# Altium PCB node-test-array__B4.PcbDoc (part 2 of 3)
Units mm, origin at the board's own origin, x right, y up, seen from the top; angles counter-clockwise.
Board outline 390 x 132 mm, 2 copper layers (Top Layer, Bottom Layer), stack 1.567 mm thick; 356 components, 207 nets, 1082 pads, 266 vias.
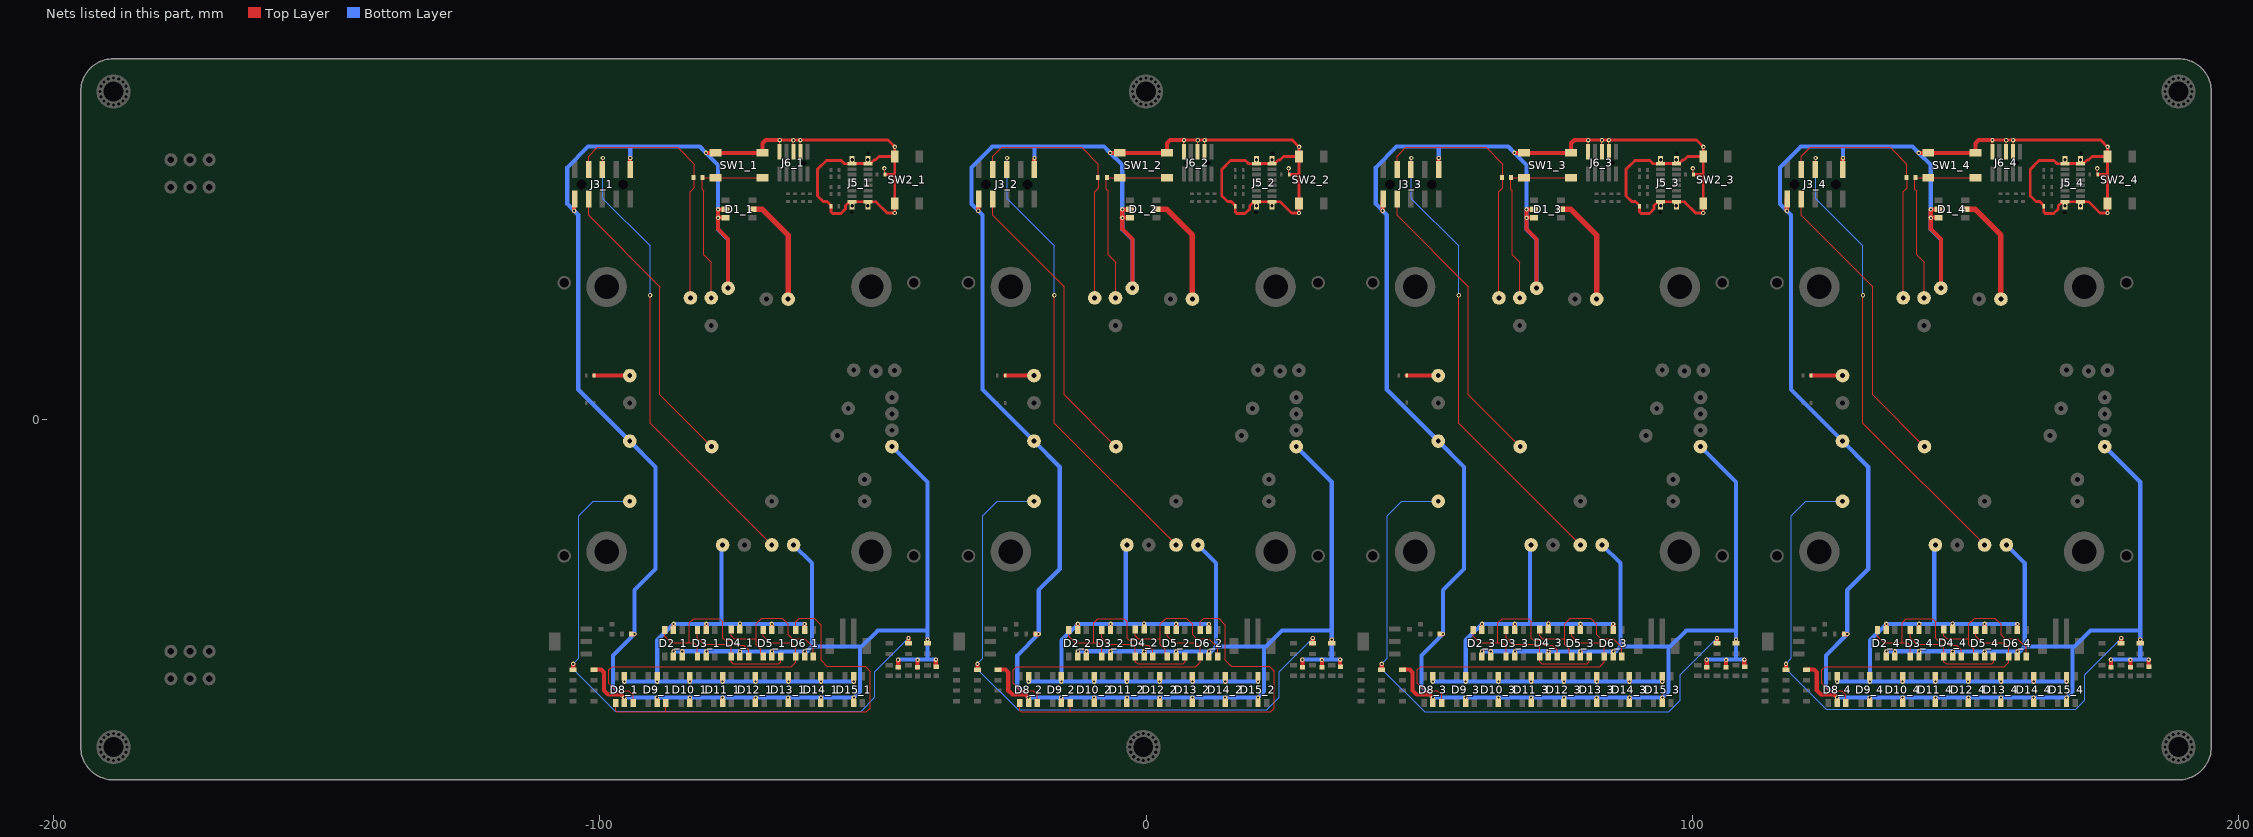
[diagram p2: the nets of this part, all layers, seen from the top]

## Part data
BM1 BM2 BM3 BM4 BM5 BM6: "M3 screw hole ISO standard 3.6mm clearance 16 conductivity holes 6.3mm pad size", Manufacturer=Wavenumber, cad-reference=M3, Category="Screw Mount", Flags=NO_BOM, kicad-footprint=M3:M3, kicad-symbol=screw-hole:screw-hole, Manufacturer Part Number=M3
C1_1 C1_2 C1_3 C1_4 C2_1 C2_2 C2_3 C2_4 C3_1 C3_2 C3_3 C3_4: library part GCM1885C2A180JA16D, "CAP CER 18PF 100V C0G/NP0 0603", Manufacturer="Murata Electronics", Operating Temperature="-55°C ~ 125°C", Package=603, Ratings=AEC-Q200, Temperature Coefficient="C0G, NP0", Tolerance=±5%, Voltage - Rated=100V, cad-reference=GCM1885C2A180JA16D, Category=Capacitors, kicad-footprint=C0603_0.90MM_MD:C0603_0.90MM_MD, kicad-symbol=Capacitor:C_2P_NP, Manufacturer Part Number=GCM1885C2A180JA16D, Substitution Notes="18pF , 100V , ±5% , C0G, NP0 , -55°C ~ 125°C , AEC-Q200 , 0603", Thickness (Max)=0.90MM
D1_1 D1_2 D1_3 D1_4 D2_1 D2_2 D2_3 D2_4 D3_1 D3_2 D3_3 D3_4 D4_1 D4_2 D4_3 D4_4 D5_1 D5_2 D5_3 D5_4 D6_1 D6_2 D6_3 D6_4 D8_1 D8_2 D8_3 D8_4 D9_1 D9_2 D9_3 D9_4 D10_1 D10_2 D10_3 D10_4 D11_1 D11_2 D11_3 D11_4 D12_1 D12_2 D12_3 D12_4 D13_1 D13_2 D13_3 D13_4 D14_1 D14_2 D14_3 D14_4 D15_1 D15_2 D15_3 D15_4: "SMD5050 RGB LEDs(Built-in IC) ROHS", JLCPCB Part #=C5446704, Manufacturer=Worldsemi, Manufacturer Part Number=WS2813A-V2
D7_1 D7_2 D7_3 D7_4: "DIODE ZENER 16V 300MW SOT23", Current - Reverse Leakage @ Vr="100nA @ 11.2V", JLCPCB Part #=C968217, Manufacturer="Diodes Inc", Operating Temperature="-65°C ~ 150°C", Package="TO-236-3- SC-59- SOT-23-3", Power - Max=300mW, Supplier Device Package=SOT-23-3, Supplier Part Number 1=BZX84B16-FDICT-ND, Tolerance=±2%, Voltage - Forward (Vf) (Max) @ If="900mV @ 10mA", Voltage - Zener (Nom) (Vz)=16V, cad-reference=BZX84B16-7-F, Category=Diodes, CategorySort=400, ComponentLink1Description="Internal Datasheet", ComponentLink1URL=http://www.diodes.com/datasheets/BZX84Bxx(x).pdf, ComponentLink2Description="External Datasheet", ComponentLink2URL=http://www.diodes.com/datasheets/BZX84Bxx(x).pdf, Diode Suffix=1A_3C, Impedance (Max) (Zzt)="40 Ohm", kicad-footprint=D_SOT-23-3:D_SOT-23-3_P, kicad-symbol=Diode:DZ_1A_3C, Manufacturer Part Number=BZX84B16-7-F, Mounting Type="Surface Mount", Num Pins=3, Packaging="Cut Tape (CT)", SortValue=BZX84B16-7-F, Supplier 1=Digi-Key
J1 J4: library part 2601-1103, "3 Position Wire to Board Terminal Block Horizontal with Board 0.137\" (3.50mm) Through Hole", Manufacturer=Wago, cad-reference=2601-1103, Category=connectors, Internal Part Number=2601-1103, kicad-footprint=2601-1103:2601-1103, kicad-symbol=2601-1103:2601-1103, Manufacturer Part Number=2601-1103
J2_1 J2_2 J2_3 J2_4: "JST 2MM Vertical 2 Pin", Color=Natural, Current Rating=2A, Flammability Rating="UL94 V-0", JLCPCB Part #=C265003, Manufacturer=JST, Max Operating Temperature=85°C, Min Operating Temperature=-25°C, Package Quantity=1, Supplier Part Number 1=455-2872-6-ND, cad-reference=B2B-PH-SM4-TBT(LF)(SN), Category=connectors, ComponentLink1Description=https://datasheet.ciiva.com/26894/getdatasheetpartid-473167-26894757.pdf?src-supplier=Verical, ComponentLink1URL=https://datasheet.ciiva.com/26894/getdatasheetpartid-473167-26894757.pdf?src-supplier=Verical, ComponentLink2Description=https://datasheet.ciiva.com/14800/eph-14800607.pdf?src-supplier=Digi-Key, ComponentLink2URL=https://datasheet.ciiva.com/14800/eph-14800607.pdf?src-supplier=Digi-Key, ComponentLink3Description=https://datasheet.ciiva.com/732/eph-732907.pdf?src-supplier=Digi-Key, ComponentLink3URL=https://datasheet.ciiva.com/732/eph-732907.pdf?src-supplier=Digi-Key, Connector Type=Header, Contact Finish - Mating=TIN, Contact Material="Copper Alloy", Contact Mating Length=0.13inch, Contact Plating=Tin, Contact Shape=Square, Contact Type="Male Pin", Fastening Type=Detent, Insulation Color=Natural, Insulation Material=Nylon, Internal Part Number=B2B-PH-SM4-TBT(LF)(SN), kicad-footprint=B2B-PH-SM4-TBT(LF)(SN):B2B-PH-SM4-TBT(LF)(SN), kicad-symbol=B2B-PH-SM4-TBT(LF)(SN):B2B-PH-SM4-TBT(LF)(SN), Lead Free="Lead Free", Manufacturer Part Number=B2B-PH-SM4-TBT(LF)(SN), Mount="Surface Mount", Number of Positions=2, Number of Rows=1, Packaging="Cut Tape", Pitch=0.079inch, Pricing="1=0.76000, 10=0.66600, 100=0.54870, 500=0.47710 (USD)", RoHS=Yes, Series=PH, Supplier 1=Digi-Key, Termination=Solder
J3_1 J3_2 J3_3 J3_4: "250V 3A Standing paste Policy 2.5mm 260℃@5S 6mm 10P -40℃~+105℃ 2.54mm Double Row Black 2.54mm 2x5P SMD,P=2.54mm  Pin Headers ROHS", JLCPCB Part #=C3294463, Manufacturer=HCTL, cad-reference=PZ254-2-05-S, kicad-footprint=PZ254-2-05-S:PZ254-2-05-S, kicad-symbol=CON-2-5:CON-2-5, Manufacturer Part Number=PZ254-2-05-S
J5_1 J5_2 J5_3 J5_4: "USB-C Vertical - USB2.0 Pinout", JLCPCB Part #=C3001290, Manufacturer=G-Switch, cad-reference=GT-USB-7082B, kicad-footprint=GT-USB-7082B:GT-USB-7082B, kicad-symbol=GT-USB-7082B:GT-USB-7082B, Manufacturer Part Number=GT-USB-7082B
J6_1 J6_2 J6_3 J6_4: "Connector Header Surface Mount 10 position 0.050\" (1.27mm)", JLCPCB Part #=C598540, Manufacturer="Amphenol ICC", cad-reference=20021121-00010T4LF, kicad-footprint=FTSH-105-05-F-DV:FTSH-105-05-F-DV, kicad-symbol=CORTEX-DEBUG:CORTEX-DEBUG, Manufacturer Part Number=20021121-00010T4LF
M5_1 M5_2 M5_3 M5_4 M6_1 M6_2 M6_3 M6_4 M7_1 M7_2 M7_3 M7_4 M8_1 M8_2 M8_3 M8_4: "ROUND STANDOFF M3X0.5 STEEL 8MM", JLCPCB Part #=C5301772, Manufacturer="Würth Elektronik", Manufacturer 1=YIYUAN, Manufacturer Part Number 1=SMTSOM380BTR, cad-reference=9774080360R, kicad-footprint=9774080360R:9774080360R, kicad-symbol=standoff-smt:standoff-smt, Manufacturer Part Number=9774080360R
P1_1 P1_2 P1_3 P1_4 P2_1 P2_2 P2_3 P2_4 P3_1 P3_2 P3_3 P3_4 P4_1 P4_2 P4_3 P4_4: "PC Pin Terminal Connector Through Hole Gold 0.070\" (1.78mm) Dia", JLCPCB Part #=C17507717, Manufacturer=Harwin, cad-reference=H2184-05, Manufacturer Part Number=H2184-05
Q1_1 Q1_2 Q1_3 Q1_4: "MOSFET P-CH 40V 6.4A SOT223", JLCPCB Part #=C141324, Manufacturer="Diodes Incorporated", cad-reference=ZXMP4A16GTA, kicad-footprint=SOT223:SOT223, kicad-symbol=MOSFET-P-CH-1G2D4D3S:MOSFET-P-CH-1G2D4D3S, Manufacturer Part Number=ZXMP4A16GTA
R1_1 R1_2 R1_3 R1_4: library part ERJ-3EKF1003V, "RES 100K OHM 1/10W 1% 0603 SMD", JLCPCB Part #=C189597, Limiting Element Voltage=75, Manufacturer="Panasonic Electronic Components", Maximum Overload Voltage=150, Maximum Working Voltage=75.0V, Package="0603 (1608 Metric)", Package Power="0603  (0.1W)", Power (Watts)="0.1W- 1/10W", Ratings=AEC-Q200, Resistance (Ohms)=100k, Sort Value=100000.0, Sort Value Package=603_100000, Supplier Package=603, Temperature Coefficient=±100ppm/°C, Tolerance=±1%, cad-reference=ERJ-3EKF1003V, Category=Resistors, Composition="Thick Film", Features=-, Height=0.55MM, kicad-footprint=R0603_0.55MM_HD:R0603_0.55MM_HD, kicad-symbol=Resistor:R_2P, Manufacturer 1="Panasonic Electronic Components", Manufacturer Part Number=ERJ-3EKF1003V, Manufacturer Part Number 1=ERJ-3EKF1003V, Number of Terminations=2, Packaging="Cut Tape (CT)", Substitution Notes="100k , ±1% , 0603 , AEC-Q200"
R2_1 R2_2 R2_3 R2_4 R3_1 R3_2 R3_3 R3_4 R17_1 R17_2 R17_3 R17_4 R18_1 R18_2 R18_3 R18_4 R21_1 R21_2 R21_3 R21_4 R22_1 R22_2 R22_3 R22_4 R23_1 R23_2 R23_3 R23_4 R24_1 R24_2 R24_3 R24_4 R25_1 R25_2 R25_3 R25_4 R26_1 R26_2 R26_3 R26_4: library part ERJ-3GEY0R00V, "RES 0.0 OHM 1/10W JUMP 0603 SMD", JLCPCB Part #=C122704, Limiting Element Voltage=75, Manufacturer="Panasonic Electronic Components", Maximum Overload Voltage=150, Maximum Working Voltage=0.0V, Package="0603 (1608 Metric)", Package Power="0603  (0.1W)", Power (Watts)="0.1W- 1/10W", Ratings=AEC-Q200, Resistance (Ohms)=0, Sort Value Package=603_0, Supplier Package=603, Supplier Part Number 1=P0.0GCT-ND, Temperature Coefficient=-, Tolerance=Jumper, cad-reference=ERJ-3GEY0R00V, Category=Resistors, Composition="Thick Film", Features=-, Height=0.55MM, kicad-footprint=R0603_0.55MM_HD:R0603_0.55MM_HD, kicad-symbol=Resistor:R_2P, Manufacturer 1="Panasonic Electronic Components", Manufacturer Part Number=ERJ-3GEY0R00V, Manufacturer Part Number 1=ERJ-3GEY0R00V, Number of Terminations=2, Sort Value=0, Substitution Notes="0 , Jumper , 0603 , AEC-Q200", Supplier 1=Digi-Key
R4_1 R4_2 R4_3 R4_4: library part ERJ-3EKF1002V, "RES 10K OHM 1/10W 1% 0603 SMD", JLCPCB Part #=C191124, Limiting Element Voltage=75, Manufacturer="Panasonic Electronic Components", Maximum Overload Voltage=150, Maximum Working Voltage=31.6V, Package="0603 (1608 Metric)", Package Power="0603  (0.1W)", Power (Watts)="0.1W- 1/10W", Ratings=AEC-Q200, Resistance (Ohms)=10k, Sort Value=10000, Sort Value Package=603_10000, Supplier Package=0603, Temperature Coefficient=±100ppm/°C, Tolerance=±1%, Category=Resistors, Composition="Thick Film", Features=-, Height=0.55MM, id=5025, is_external=1, Manufacturer 1="Panasonic Electronic Components", Manufacturer Part Number=ERJ-3EKF1002V, Manufacturer Part Number 1=ERJ-3EKF1002V, Number of Terminations=2, Packaging="Cut Tape (CT)", Size / Dimension="0.063\" L x 0.031\" W (1.60mm x 0.80mm)", Substitution Notes="10k , ±1% , 0603 , AEC-Q200"
R5_1 R5_2 R5_3 R5_4 R6_1 R6_2 R6_3 R6_4 R7_1 R7_2 R7_3 R7_4 R8_1 R8_2 R8_3 R8_4 R9_1 R9_2 R9_3 R9_4 R10_1 R10_2 R10_3 R10_4 R11_1 R11_2 R11_3 R11_4 R12_1 R12_2 R12_3 R12_4 R13_1 R13_2 R13_3 R13_4 R14_1 R14_2 R14_3 R14_4 R15_1 R15_2 R15_3 R15_4 R16_1 R16_2 R16_3 R16_4: library part ERJ-6GEY0R00V, "RES 0.0 OHM 1/8W JUMP 0805 SMD", JLCPCB Part #=C96345, Limiting Element Voltage=150, Manufacturer="Panasonic Electronic Components", Maximum Overload Voltage=200, Maximum Working Voltage=0.0V, Package="0805 (2012 Metric)", Package Power="0805  (0.125W)", Power (Watts)="0.125W- 1/8W", Ratings=AEC-Q200, Resistance (Ohms)=0, Sort Value Package=805_0, Supplier Package=805, Supplier Part Number 1=P0.0ACT-ND, Temperature Coefficient=-, Tolerance=Jumper, cad-reference=ERJ-6GEY0R00V, Category=Resistors, Composition="Thick Film", Features=-, Height=0.70MM, kicad-footprint=R0805_0.70MM_HD:R0805_0.70MM_HD, kicad-symbol=Resistor:R_2P, Manufacturer 1="Panasonic Electronic Components", Manufacturer Part Number=ERJ-6GEY0R00V, Manufacturer Part Number 1=ERJ-6GEY0R00V, Number of Terminations=2, Sort Value=0, Substitution Notes="0 , Jumper , 0805 , AEC-Q200", Supplier 1=Digi-Key
R19_1 R19_2 R19_3 R19_4 R20_1 R20_2 R20_3 R20_4: library part ERJ-3EKF5101V, "RES 5.1K OHM 1/10W 1% 0603 SMD", JLCPCB Part #=C169254, Limiting Element Voltage=75, Manufacturer="Panasonic Electronic Components", Maximum Overload Voltage=150, Maximum Working Voltage=22.6V, Package="0603 (1608 Metric)", Package Power="0603  (0.1W)", Power (Watts)="0.1W- 1/10W", Ratings=AEC-Q200, Resistance (Ohms)=5.1k, Sort Value=5100.0, Sort Value Package=603_5100, Supplier Package=603, Temperature Coefficient=±100ppm/°C, Tolerance=±1%, cad-reference=ERJ-3EKF5101V, Category=Resistors, Composition="Thick Film", Features=-, Height=0.55MM, kicad-footprint=R0603_0.55MM_HD:R0603_0.55MM_HD, kicad-symbol=Resistor:R_2P, Manufacturer 1="Panasonic Electronic Components", Manufacturer Part Number=ERJ-3EKF5101V, Manufacturer Part Number 1=ERJ-3EKF5101V, Number of Terminations=2, Packaging="Cut Tape (CT)", Substitution Notes="5.1k , ±1% , 0603 , AEC-Q200"
SW1_1 SW1_2 SW1_3 SW1_4 SW2_1 SW2_2 SW2_3 SW2_4: "SWITCH TACTILE SPST-NO 0.05A 24V", JLCPCB Part #=C2845316, Manufacturer="TE Connectivity ALCOSWITCH Switches", Manufacturer 1=HCTL, Manufacturer Part Number 1=TC-6601-6-260G, cad-reference=FSM4JSMATR, kicad-footprint=FSM4JSMATR:FSM4JSMATR, kicad-symbol=FSM4JSMATR:FSM4JSMATR, Manufacturer Part Number=FSM4JSMATR
TP1_1 TP1_2 TP1_3 TP1_4 TP2_1 TP2_2 TP2_3 TP2_4 TP3_1 TP3_2 TP3_3 TP3_4 TP4_1 TP4_2 TP4_3 TP4_4 TP5_1 TP5_2 TP5_3 TP5_4 TP6_1 TP6_2 TP6_3 TP6_4 TP7_1 TP7_2 TP7_3 TP7_4 TP8_1 TP8_2 TP8_3 TP8_4 TP9_1 TP9_2 TP9_3 TP9_4 TP10_1 TP10_2 TP10_3 TP10_4 TP11_1 TP11_2 TP11_3 TP11_4 TP12_1 TP12_2 TP12_3 TP12_4 TP13_1 TP13_2 TP13_3 TP13_4 TP14_1 TP14_2 TP14_3 TP14_4 TP15_1 TP15_2 TP15_3 TP15_4 TP16_1 TP16_2 TP16_3 TP16_4 TP17_1 TP17_2 TP17_3 TP17_4 TP18_1 TP18_2 TP18_3 TP18_4 TP19_1 TP19_2 TP19_3 TP19_4 TP20_1 TP20_2 TP20_3 TP20_4 TP21_1 TP21_2 TP21_3 TP21_4 TP22_1 TP22_2 TP22_3 TP22_4 TP23_1 TP23_2 TP23_3 TP23_4 TP24_1 TP24_2 TP24_3 TP24_4 TP25_1 TP25_2 TP25_3 TP25_4 TP26_1 TP26_2 TP26_3 TP26_4 TP27_1 TP27_2 TP27_3 TP27_4: "Brass 12V -40℃~+85℃ 1P Spring loaded pin (POGO PIN) 10.3mm 50mΩ 10,000 times 7mm 2A Gold Pogo Pin Spring Probe Connector ROHS", JLCPCB Part #=C5157328, Manufacturer=Xinyangze, cad-reference=YZ209315103P-01, Internal Part Number=YZ209315103P-01, kicad-footprint=YZ209315103P-01:YZ209315103P-01, kicad-symbol=YZ209315103P-01:YZ209315103P-01, Manufacturer Part Number=YZ209315103P-01
U1_1 U1_2 U1_3 U1_4: Manufacturer=Wavenumber, cad-reference=cricket-node-testpoint-placement-template, Flags=NOBOM, Manufacturer Part Number=cricket-node-testpoint-placement-template

## Via types
v1: diameter 0.813, hole 0.381, Top Layer to Bottom Layer, tented both sides, 266 vias

## Nets (pads, with @x,y where several pads share a name; then routed paths per layer and width w, separated by ;. In a path a pad name is that pad's centre, name@x,y a point inside that pad or via, vN(x,y) a via of type N, cw(c..) or ccw(c..) an arc to the next point about the centre after c; other vN are vias at no path point)
+5v0-CH0_1: D1_1.2 TP8_1.1 | length 20.2
  Top Layer w1.016: D1_1.2@-72.05,38.475 -70.278,38.475 -65.5,33.697 TP8_1.1@-65.5,22
+5v0-CH0_2: D1_2.2 TP8_2.1 | length 20.2
  Top Layer w1.016: D1_2.2@1.95,38.475 3.722,38.475 8.5,33.697 TP8_2.1@8.5,22
+5v0-CH0_3: D1_3.2 TP8_3.1 | length 20.2
  Top Layer w1.016: D1_3.2@75.95,38.475 77.722,38.475 82.5,33.697 TP8_3.1@82.5,22
+5v0-CH0_4: D1_4.2 TP8_4.1 | length 20.2
  Top Layer w1.016: D1_4.2@149.95,38.475 151.722,38.475 156.5,33.697 TP8_4.1@156.5,22
+5v0-CH1_1: D2_1.2 D3_1.2 D4_1.2 D5_1.2 D6_1.2 D8_1.2 D9_1.2 D10_1.2 D11_1.2 D12_1.2 D13_1.2 D14_1.2 D15_1.2 TP12_1.1 | length 105.7
  Top Layer w0.152: D8_1.2@-95.5,-47.05 -95.497,-47.053 v1@-95.497,-48.019 ; D9_1.2@-89.5,-47.05 -89.478,-47.072 v1@-89.478,-47.994
  Top Layer w0.762: D2_1.2@-86.5,-38.55 -86.48,-38.53 v1(-86.48,-37.453) ; v1@-83.509,-48.019 -83.504,-48.015 -83.504,-47.054 D10_1.2@-83.5,-47.05 ; D3_1.2@-80.5,-38.55 -80.511,-38.539 -80.511,-37.504 v1(-80.461,-37.453) ; D11_1.2@-77.5,-47.05 -77.494,-47.056 -77.494,-48.014 v1@-77.489,-48.019 ; v1(-74.339,-37.402) -74.339,-38.496 D4_1.2@-74.335,-38.5 ; D12_1.2@-71.5,-47.05 -71.497,-47.053 -71.497,-48.016 v1@-71.494,-48.019 ; D5_1.2@-68.5,-38.55 -68.472,-38.522 -68.472,-37.478 v1(-68.497,-37.453) ; D13_1.2@-65.5,-47.05 -65.484,-47.066 -65.484,-47.959 v1@-65.475,-47.968 ; D6_1.2@-62.5,-38.55 -62.477,-38.527 v1(-62.477,-37.478) ; D14_1.2@-59.5,-47.05 -59.494,-47.056 -59.494,-48.077 v1@-59.489,-48.082 ; D15_1.2@-53.5,-47.05 -53.497,-47.053 -53.497,-48.054 v1@-53.494,-48.057
  Bottom Layer w0.762: v1(-95.497,-48.006) v1(-83.509,-48.006) v1(-77.489,-48.006) v1(-71.494,-48.006) v1(-65.475,-48.006) ; v1@-89.478,-47.994 -89.478,-40.45 v1(-86.48,-37.453) v1(-80.461,-37.453) -77.717,-37.453 ; TP12_1.1@-77.5,-23 -77.717,-23.217 -77.717,-37.453 ; v1@-65.461,-48.006 v1(-59.489,-48.006) -53.518,-48.006 v1@-53.494,-48.029 ; v1(-62.477,-37.478) -62.491,-37.478 -62.517,-37.453 v1(-68.497,-37.453) -77.717,-37.453
  other v1: -89.478,-48.006 -53.494,-48.006
+5v0-CH1_2: D2_2.2 D3_2.2 D4_2.2 D5_2.2 D6_2.2 D8_2.2 D9_2.2 D10_2.2 D11_2.2 D12_2.2 D13_2.2 D14_2.2 D15_2.2 TP12_2.1 | length 105.7
  Top Layer w0.152: D8_2.2@-21.5,-47.05 -21.497,-47.053 v1@-21.497,-48.019 ; D9_2.2@-15.5,-47.05 -15.478,-47.072 v1@-15.478,-47.994
  Top Layer w0.762: D2_2.2@-12.5,-38.55 -12.48,-38.53 v1(-12.48,-37.453) ; v1@-9.509,-48.019 -9.504,-48.015 -9.504,-47.054 D10_2.2@-9.5,-47.05 ; D3_2.2@-6.5,-38.55 -6.511,-38.539 -6.511,-37.504 v1(-6.461,-37.453) ; D11_2.2@-3.5,-47.05 -3.494,-47.056 -3.494,-48.014 v1@-3.489,-48.019 ; v1(-0.339,-37.402) -0.339,-38.496 D4_2.2@-0.335,-38.5 ; D12_2.2@2.5,-47.05 2.503,-47.053 2.503,-48.016 v1@2.506,-48.019 ; D5_2.2@5.5,-38.55 5.528,-38.522 5.528,-37.478 v1(5.503,-37.453) ; D13_2.2@8.5,-47.05 8.516,-47.066 8.516,-47.959 v1@8.525,-47.968 ; D6_2.2@11.5,-38.55 11.523,-38.527 v1(11.523,-37.478) ; D14_2.2@14.5,-47.05 14.506,-47.056 14.506,-48.077 v1@14.511,-48.082 ; D15_2.2@20.5,-47.05 20.503,-47.053 20.503,-48.054 v1@20.506,-48.057
  Bottom Layer w0.762: v1(-21.497,-48.006) v1(-9.509,-48.006) v1(-3.489,-48.006) v1(2.506,-48.006) v1(8.525,-48.006) ; v1@-15.478,-47.994 -15.478,-40.45 v1(-12.48,-37.453) v1(-6.461,-37.453) -3.717,-37.453 ; TP12_2.1@-3.5,-23 -3.717,-23.217 -3.717,-37.453 ; v1@8.539,-48.006 v1(14.511,-48.006) 20.482,-48.006 v1@20.506,-48.029 ; v1(11.523,-37.478) 11.509,-37.478 11.483,-37.453 v1(5.503,-37.453) -3.717,-37.453
  other v1: -15.478,-48.006 20.506,-48.006
+5v0-CH1_3: D2_3.2 D3_3.2 D4_3.2 D5_3.2 D6_3.2 D8_3.2 D9_3.2 D10_3.2 D11_3.2 D12_3.2 D13_3.2 D14_3.2 D15_3.2 TP12_3.1 | length 105.7
  Top Layer w0.152: D8_3.2@52.5,-47.05 52.503,-47.053 v1@52.503,-48.019 ; D9_3.2@58.5,-47.05 58.522,-47.072 v1@58.522,-47.994
  Top Layer w0.762: D2_3.2@61.5,-38.55 61.52,-38.53 v1(61.52,-37.453) ; v1@64.491,-48.019 64.496,-48.015 64.496,-47.054 D10_3.2@64.5,-47.05 ; D3_3.2@67.5,-38.55 67.489,-38.539 67.489,-37.504 v1(67.539,-37.453) ; D11_3.2@70.5,-47.05 70.506,-47.056 70.506,-48.014 v1@70.511,-48.019 ; v1(73.661,-37.402) 73.661,-38.496 D4_3.2@73.665,-38.5 ; D12_3.2@76.5,-47.05 76.503,-47.053 76.503,-48.016 v1@76.506,-48.019 ; D5_3.2@79.5,-38.55 79.528,-38.522 79.528,-37.478 v1(79.503,-37.453) ; D13_3.2@82.5,-47.05 82.516,-47.066 82.516,-47.959 v1@82.525,-47.968 ; D6_3.2@85.5,-38.55 85.523,-38.527 v1(85.523,-37.478) ; D14_3.2@88.5,-47.05 88.506,-47.056 88.506,-48.077 v1@88.511,-48.082 ; D15_3.2@94.5,-47.05 94.503,-47.053 94.503,-48.054 v1@94.506,-48.057
  Bottom Layer w0.762: v1(52.503,-48.006) v1(64.491,-48.006) v1(70.511,-48.006) v1(76.506,-48.006) v1(82.525,-48.006) ; v1@58.522,-47.994 58.522,-40.45 v1(61.52,-37.453) v1(67.539,-37.453) 70.283,-37.453 ; TP12_3.1@70.5,-23 70.283,-23.217 70.283,-37.453 ; v1@82.539,-48.006 v1(88.511,-48.006) 94.482,-48.006 v1@94.506,-48.029 ; v1(85.523,-37.478) 85.509,-37.478 85.483,-37.453 v1(79.503,-37.453) 70.283,-37.453
  other v1: 58.522,-48.006 94.506,-48.006
+5v0-CH1_4: D2_4.2 D3_4.2 D4_4.2 D5_4.2 D6_4.2 D8_4.2 D9_4.2 D10_4.2 D11_4.2 D12_4.2 D13_4.2 D14_4.2 D15_4.2 TP12_4.1 | length 105.7
  Top Layer w0.152: D8_4.2@126.5,-47.05 126.503,-47.053 v1@126.503,-48.019 ; D9_4.2@132.5,-47.05 132.522,-47.072 v1@132.522,-47.994
  Top Layer w0.762: D2_4.2@135.5,-38.55 135.52,-38.53 v1(135.52,-37.453) ; v1@138.491,-48.019 138.496,-48.015 138.496,-47.054 D10_4.2@138.5,-47.05 ; D3_4.2@141.5,-38.55 141.489,-38.539 141.489,-37.504 v1(141.539,-37.453) ; D11_4.2@144.5,-47.05 144.506,-47.056 144.506,-48.014 v1@144.511,-48.019 ; v1(147.661,-37.402) 147.661,-38.496 D4_4.2@147.665,-38.5 ; D12_4.2@150.5,-47.05 150.503,-47.053 150.503,-48.016 v1@150.506,-48.019 ; D5_4.2@153.5,-38.55 153.528,-38.522 153.528,-37.478 v1(153.503,-37.453) ; D13_4.2@156.5,-47.05 156.516,-47.066 156.516,-47.959 v1@156.525,-47.968 ; D6_4.2@159.5,-38.55 159.523,-38.527 v1(159.523,-37.478) ; D14_4.2@162.5,-47.05 162.506,-47.056 162.506,-48.077 v1@162.511,-48.082 ; D15_4.2@168.5,-47.05 168.503,-47.053 168.503,-48.054 v1@168.506,-48.057
  Bottom Layer w0.762: v1(126.503,-48.006) v1(138.491,-48.006) v1(144.511,-48.006) v1(150.506,-48.006) v1(156.525,-48.006) ; v1@132.522,-47.994 132.522,-40.45 v1(135.52,-37.453) v1(141.539,-37.453) 144.283,-37.453 ; TP12_4.1@144.5,-23 144.283,-23.217 144.283,-37.453 ; v1@156.539,-48.006 v1(162.511,-48.006) 168.482,-48.006 v1@168.506,-48.029 ; v1(159.523,-37.478) 159.509,-37.478 159.483,-37.453 v1(153.503,-37.453) 144.283,-37.453
  other v1: 132.522,-48.006 168.506,-48.006
+5v0_1: J3_1.7 R1_1.2 TP18_1.1 | length 48.5
  Top Layer w0.152: J3_1.7@-102.04,45.69 -102.04,48.152 -100.433,49.759 -85.752,49.759 -82.718,46.724 -82.718,44.247 -82.679,44.208 -82.679,42.393 -83.39,41.681 TP18_1.1@-83.39,22.225
+5v0_2: J3_2.7 R1_2.2 TP18_2.1 | length 48.5
  Top Layer w0.152: J3_2.7@-28.04,45.69 -28.04,48.152 -26.433,49.759 -11.752,49.759 -8.718,46.724 -8.718,44.247 -8.679,44.208 -8.679,42.393 -9.39,41.681 TP18_2.1@-9.39,22.225
+5v0_3: J3_3.7 R1_3.2 TP18_3.1 | length 48.5
  Top Layer w0.152: J3_3.7@45.96,45.69 45.96,48.152 47.567,49.759 62.248,49.759 65.282,46.724 65.282,44.247 65.321,44.208 65.321,42.393 64.61,41.681 TP18_3.1@64.61,22.225
+5v0_4: J3_4.7 R1_4.2 TP18_4.1 | length 48.5
  Top Layer w0.152: J3_4.7@119.96,45.69 119.96,48.152 121.567,49.759 136.248,49.759 139.282,46.724 139.282,44.247 139.321,44.208 139.321,42.393 138.61,41.681 TP18_4.1@138.61,22.225
+VIN_1: R25_1.2 TP27_1.1 | length 6.5
  Top Layer w0.762: R25_1.2@-101.025,8 TP27_1.1@-94.5,8
+VIN_2: R25_2.2 TP27_2.1 | length 5.3
  Top Layer w0.762: R25_2.2@-25.775,8 TP27_2.1@-20.5,8
+VIN_3: R25_3.2 TP27_3.1 | length 5.8
  Top Layer w0.762: R25_3.2@47.725,8 TP27_3.1@53.5,8
+VIN_4: R25_4.2 TP27_4.1 | length 5.8
  Top Layer w0.762: R25_4.2@121.725,8 TP27_4.1@127.5,8
AUX1-EXT_1: J3_1.5 TP11_1.1 | length 85.8
  Top Layer w0.152: J3_1.5@-99.5,45.69 -99.417,45.773 v1(-99.417,47.828) ; v1(-90.756,22.708) -90.756,-0.744 TP11_1.1@-68.5,-23
  Bottom Layer w0.152: v1(-99.417,47.828) -99.417,40.408 -90.756,31.747 v1(-90.756,22.708)
AUX1-EXT_2: J3_2.5 TP11_2.1 | length 85.8
  Top Layer w0.152: J3_2.5@-25.5,45.69 -25.417,45.773 v1(-25.417,47.828) ; v1(-16.756,22.708) -16.756,-0.744 TP11_2.1@5.5,-23
  Bottom Layer w0.152: v1(-25.417,47.828) -25.417,40.408 -16.756,31.747 v1(-16.756,22.708)
AUX1-EXT_3: J3_3.5 TP11_3.1 | length 85.8
  Top Layer w0.152: J3_3.5@48.5,45.69 48.583,45.773 v1(48.583,47.828) ; v1(57.244,22.708) 57.244,-0.744 TP11_3.1@79.5,-23
  Bottom Layer w0.152: v1(48.583,47.828) 48.583,40.408 57.244,31.747 v1(57.244,22.708)
AUX1-EXT_4: J3_4.5 TP11_4.1 | length 85.8
  Top Layer w0.152: J3_4.5@122.5,45.69 122.583,45.773 v1(122.583,47.828) ; v1(131.244,22.708) 131.244,-0.744 TP11_4.1@153.5,-23
  Bottom Layer w0.152: v1(122.583,47.828) 122.583,40.408 131.244,31.747 v1(131.244,22.708)
BTN0-EXT_1: R1_1.1 SW1_1.B TP7_1.1 | length 33.8
  Top Layer w0.152: TP7_1.1@-79.58,22.225 -79.58,28.778 -80.926,30.124 -80.926,41.808 -81.268,42.15 -81.268,44.247 -81.261,44.239 SW1_1.B@-78.818,44.239 SW1_1.B@-70.182,44.239
BTN0-EXT_2: R1_2.1 SW1_2.B TP7_2.1 | length 33.8
  Top Layer w0.152: TP7_2.1@-5.58,22.225 -5.58,28.778 -6.926,30.124 -6.926,41.808 -7.268,42.15 -7.268,44.247 -7.261,44.239 SW1_2.B@-4.818,44.239 SW1_2.B@3.818,44.239
BTN0-EXT_3: R1_3.1 SW1_3.B TP7_3.1 | length 33.8
  Top Layer w0.152: TP7_3.1@68.42,22.225 68.42,28.778 67.074,30.124 67.074,41.808 66.732,42.15 66.732,44.247 66.739,44.239 SW1_3.B@69.182,44.239 SW1_3.B@77.818,44.239
BTN0-EXT_4: R1_4.1 SW1_4.B TP7_4.1 | length 33.8
  Top Layer w0.152: TP7_4.1@142.42,22.225 142.42,28.778 141.074,30.124 141.074,41.808 140.732,42.15 140.732,44.247 140.739,44.239 SW1_4.B@143.182,44.239 SW1_4.B@151.818,44.239
CHG-LOOP_1: J3_1.8 TP16_1.1 | length 54.6
  Top Layer w0.152: J3_1.8@-102.04,40.31 -102.04,37.319 -89.003,24.282 -89.003,4.503 TP16_1.1@-79.5,-5
CHG-LOOP_2: J3_2.8 TP16_2.1 | length 54.6
  Top Layer w0.152: J3_2.8@-28.04,40.31 -28.04,37.319 -15.003,24.282 -15.003,4.503 TP16_2.1@-5.5,-5
CHG-LOOP_3: J3_3.8 TP16_3.1 | length 54.6
  Top Layer w0.152: J3_3.8@45.96,40.31 45.96,37.319 58.997,24.282 58.997,4.503 TP16_3.1@68.5,-5
CHG-LOOP_4: J3_4.8 TP16_4.1 | length 54.6
  Top Layer w0.152: J3_4.8@119.96,40.31 119.96,37.319 132.997,24.282 132.997,4.503 TP16_4.1@142.5,-5
GND_1: C1_1.1 C2_1.1 C3_1.1 D1_1.5 D1_1.6 D2_1.5 D2_1.6 D3_1.5 D4_1.5 D5_1.5 D6_1.5 D8_1.5 D9_1.5 D10_1.5 D11_1.5 D12_1.5 D13_1.5 D14_1.5 D15_1.5 J3_1.1 J3_1.10 J5_1.A1 J5_1.A12 J5_1.B1 J5_1.B12 J6_1.3 J6_1.5 J6_1.9 R4_1.2 R6_1.2 R9_1.2 R19_1.1 R20_1.1 SW1_1.A SW2_1.A TP2_1.1 TP24_1.1 TP25_1.1 TP26_1.1 | length 480.8
  Top Layer w0.152: J6_1.9@-67.08,48.962 -67.08,50.969 v1@-67.029,51.019 ; J6_1.5@-64.54,48.962 -64.54,50.969 v1@-64.515,50.994 ; J6_1.3@-63.27,48.962 v1@-63.27,50.994 ; v1(-47.878,45.939) -47.85,45.912 R19_1.1@-47.85,45.025 ; v1(-45.998,37.761) -45.985,37.774 -45.985,37.9 v1@-45.998,37.913
  Top Layer w0.508: v1(-67.048,51.107) v1(-63.263,51.107) -47.228,51.107 v1(-45.973,49.851) -45.985,49.838 -45.985,48.137 SW2_1.A@-45.998,48.124 ; J5_1.B1@-50.926,47.531 J5_1.B1@-50.926,46.806 ; R19_1.1@-47.788,44.822 -45.998,44.822 ; v1(-45.998,37.761) -47.37,37.761 -49.415,39.806 J5_1.B12@-50.926,39.806 J5_1.A1@-53.786,39.806 -54.286,39.806 -54.99,39.102 -54.99,38.548 -55.853,37.684 -57.373,37.684 -57.67,37.982 -57.67,39.122 -58.393,39.845 -59.08,39.845 -60.12,40.885 -60.12,45.762 -58.52,47.362 -55.777,47.362 -55.193,46.778 -53.814,46.778 J5_1.A12@-53.786,46.806 J5_1.B1@-50.926,46.806 ; v1@-45.998,37.913 SW2_1.A@-45.998,39.488 -45.998,44.822 ; J5_1.B1@-50.926,46.806 -50.426,46.806 -49.768,47.463 -49.503,47.463 -48.843,48.124 SW2_1.A@-45.998,48.124 ; -45.998,44.822 SW2_1.A@-45.998,48.124
  Top Layer w0.762: v1(-104.701,38.176) -104.701,40.189 J3_1.10@-104.58,40.31 ; R9_1.2@-101.06,-45.825 -99.714,-45.825 -99.209,-46.33 -99.209,-49.632 -98.447,-50.394 -96.045,-50.394 -95.511,-50.927 v1(-95.497,-50.927) ; D8_1.5@-95.5,-51.95 -95.499,-51.949 -95.499,-50.942 v1@-95.497,-50.94 ; J3_1.1@-94.42,45.69 -94.464,45.734 -94.464,47.752 v1(-94.414,47.803) ; R4_1.2@-94.266,-39.307 -94.266,-39.32 -94.235,-39.351 -93.685,-39.351 v1(-93.641,-39.307) ; v1@-89.528,-51.016 -89.519,-51.026 -89.519,-51.931 D9_1.5@-89.5,-51.95 ; D2_1.5@-86.5,-43.45 -86.473,-43.423 -86.473,-42.504 v1(-86.463,-42.494) ; D2_1.6@-84.9,-43.45 -84.894,-43.444 -84.894,-42.474 v1@-84.889,-42.469 ; D10_1.5@-83.5,-51.95 -83.492,-51.942 -83.492,-51.025 v1@-83.483,-51.016 ; v1(-80.545,48.768) -78.825,48.768 SW1_1.A@-78.818,48.761 SW1_1.A@-70.182,48.761 -70.182,50.534 -69.609,51.107 v1(-67.048,51.107) ; D3_1.5@-80.5,-43.45 -80.479,-43.429 -80.479,-42.479 v1@-80.469,-42.469 ; v1@-78.437,36.881 -78.361,36.957 v1@-78.335,36.957 ; D11_1.5@-77.5,-51.95 -77.494,-51.944 -77.494,-51.047 v1@-77.489,-51.042 ; D1_1.6@-76.95,36.875 -77.032,36.957 v1@-78.335,36.957 ; D1_1.5@-76.95,38.475 -76.995,38.43 v1(-78.335,38.43) v1@-78.335,36.957 ; TP25_1.1@-76.5,24 -76.5,32.988 -78.335,34.823 v1(-78.335,36.881) v1@-78.335,36.957 ; D4_1.5@-74.335,-43.4 -74.329,-43.394 -74.329,-42.45 v1@-74.322,-42.443 ; D12_1.5@-71.5,-51.95 -71.479,-51.929 -71.479,-51.026 v1@-71.469,-51.016 ; D5_1.5@-68.5,-43.45 -68.49,-43.44 -68.49,-42.555 v1@-68.48,-42.545 ; D13_1.5@-65.5,-51.95 v1@-65.5,-50.991 ; D6_1.5@-62.5,-43.45 -62.47,-43.42 -62.47,-42.428 v1@-62.46,-42.418 ; v1@-59.506,-50.915 -59.503,-50.918 -59.503,-51.947 D14_1.5@-59.5,-51.95 ; D15_1.5@-53.5,-51.95 -53.493,-51.943 -53.493,-50.973 v1@-53.486,-50.966 ; C3_1.1@-45.361,-45.377 v1(-45.361,-44.018) ; C1_1.1@-41.805,-45.403 v1(-41.805,-44.044) ; R6_1.2@-40,-41 v1(-40,-40.325) ; v1(-38.478,-43.993) -38.495,-44.011 -38.495,-45.282 -38.451,-45.326 C2_1.1@-38.401,-45.326